# Altium PCB roach2.PcbDoc (part 37 of 39)
Units mil, origin at the board's own origin, x right, y up, seen from the top; angles counter-clockwise.
Board outline 12007.87 x 9606.3 mil, 16 copper layers (L1_TOP, L2_G, L3_S, L4_G, L5_S, L6_P, L7_G, L8_R, L9_R, L10_P, L11_P, L12_S, L13_P, L14_S, L15_G, L16_BOT), stack 81.651 mil thick; 1568 components, 1918 nets, 9251 pads, 6741 vias.
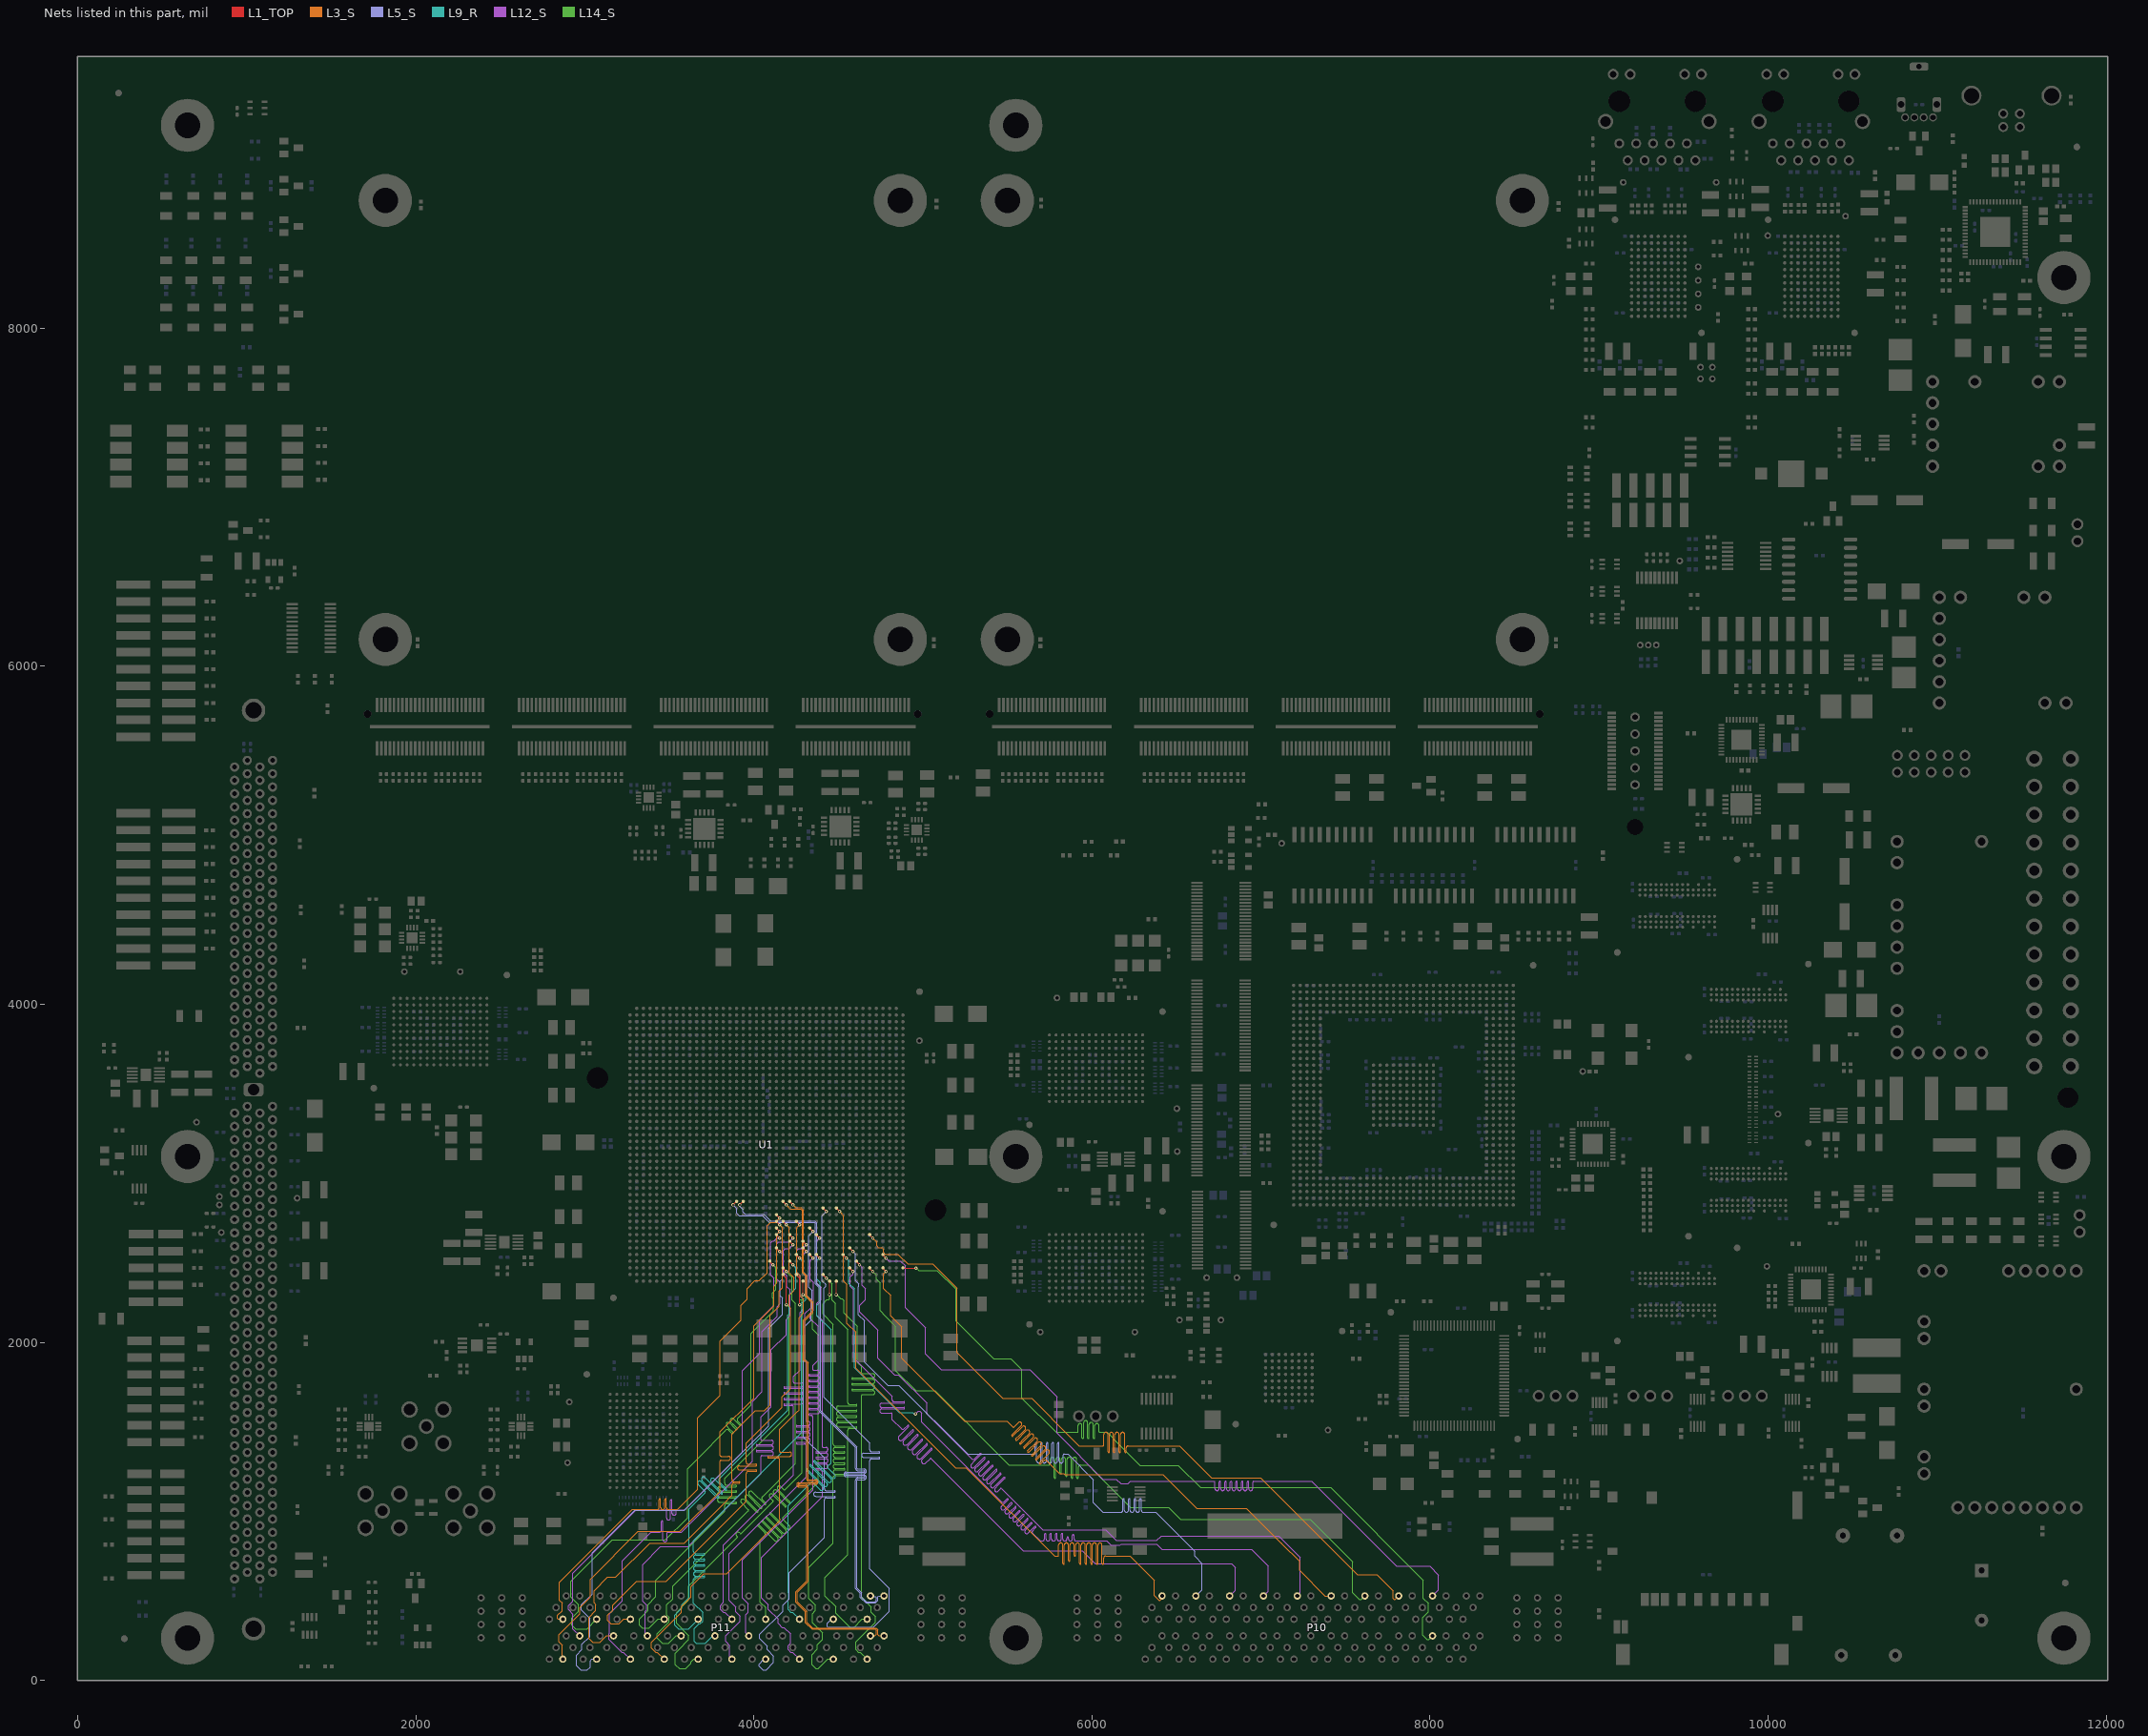
[diagram p51: the nets of this part, all layers, seen from the top]

## Via types
v1: diameter 19.4, hole 10, L1_TOP to L16_BOT, tented both sides, 3354 vias
v2: diameter 19.4, hole 10, L1_TOP to L16_BOT, 1954 vias
v3: diameter 19.4, hole 10, L1_TOP to L16_BOT, tented top, 429 vias
v4: diameter 18.6, hole 10, L1_TOP to L16_BOT, tented both sides, 311 vias
v5: diameter 59.06, hole 39.37, L1_TOP to L16_BOT, 217 vias
v6: diameter 19.4, hole 10.04, L1_TOP to L16_BOT, 125 vias
v7: diameter 19, hole 10, L1_TOP to L16_BOT, 93 vias
v8: diameter 19.4, hole 10, L1_TOP to L16_BOT, tented bottom, 80 vias
v9: diameter 25.98, hole 12.99, L1_TOP to L16_BOT, tented top, 55 vias
v10: diameter 20, hole 10, L1_TOP to L16_BOT, 53 vias
v11: diameter 59.06, hole 39.37, L1_TOP to L16_BOT, tented top, 44 vias
v12: diameter 20, hole 10, L1_TOP to L16_BOT, tented top, 16 vias
v13: diameter 19, hole 10, L1_TOP to L16_BOT, tented top, 5 vias
v14: diameter 25.98, hole 12.99, L1_TOP to L16_BOT, 4 vias
v15: diameter 50, hole 28, L1_TOP to L16_BOT, 1 vias

## Nets (pads, with @x,y where several pads share a name; then routed paths per layer and width w, separated by ;. In a path a pad name is that pad's centre, name@x,y a point inside that pad or via, vN(x,y) a via of type N, cw(c..) or ccw(c..) an arc to the next point about the centre after c; other vN are vias at no path point) (continued)
ZDOK0.DP_P28: P10.C17 U1.A40 | length 5100.7
  L1_TOP w5: U1.A40@4880.99,2439.41 4881.89,2439.41 v2(4959.73,2439.41)
  L14_S w3.8: v2@4960.63,2440.94 4960.95,2440.63 4975.42,2426.16 5083.76,2426.16 5195.79,2314.13 5195.79,2126.99 5419.79,1902.99 5521.22,1902.99 5585.79,1838.42 5585.79,1670.19 5787.99,1467.99 5912.99,1467.99 ccw(c5912.99,1472.39) 5917.39,1472.39 5917.39,1507.17 cw(c5929.59,1507.17) 5941.79,1507.17 5941.79,1435.69 ccw(c5946.19,1435.69) 5950.59,1435.69 5950.59,1524.5 cw(c5962.79,1524.5) 5974.99,1524.5 5974.99,1435.69 ccw(c5979.39,1435.69) 5983.79,1435.69 5983.79,1514.07 cw(c5995.99,1514.07) 6008.19,1514.07 6008.19,1435.69 ccw(c6012.59,1435.69) 6016.99,1435.69 6016.99,1507.12 cw(c6029.19,1507.12) 6041.39,1507.12 6041.39,1472.39 ccw(c6045.79,1472.39) 6045.79,1467.99 6089.02,1467.99 6094.26,1462.75 6155.51,1401.51 6284.02,1272.99 6511.22,1272.99 6643.42,1140.79 7411.22,1140.79 7960.79,591.22 7960.79,486.22 7990.31,456.7 7990.31,405.31 7957.99,372.99 7957.99,267.99 7982.99,242.99 7994.21,242.99 P10.C17@8015,263.78
ZDOK0.DP_P29: P10.F1 U1.L31 | length 5207.7
  L1_TOP w5: U1.L31@4487.29,2793.74 v1(4506.98,2774.05)
  L3_S w3.8: v1(4506.98,2774.05) 4530.75,2750.28 4530.75,2362.74 4550.43,2343.05 4550.43,2112.55 4551.33,2111.65 4602.79,2060.19 4602.79,1847.99 5192.79,1257.99 5256.22,1257.99 5778.42,735.79 5798.99,735.79 ccw(c5798.99,740.19) 5803.39,740.19 5803.39,801.43 cw(c5815.59,801.43) 5827.79,801.43 5827.79,692.36 ccw(c5832.19,692.36) 5836.59,692.36 5836.59,801.43 cw(c5848.79,801.43) 5860.99,801.43 5860.99,709.83 ccw(c5865.39,709.83) 5869.79,709.83 5869.79,801.43 cw(c5881.99,801.43) 5894.19,801.43 5894.19,740.19 ccw(c5898.59,740.19) 5902.99,740.19 5902.99,801.43 cw(c5915.19,801.43) 5927.39,801.43 5927.39,692.36 ccw(c5931.79,692.36) 5936.19,692.36 5936.19,801.43 cw(c5948.39,801.43) 5960.59,801.43 5960.59,692.36 ccw(c5964.99,692.36) 5969.39,692.36 5969.39,801.43 cw(c5981.59,801.43) 5993.79,801.43 5993.79,692.36 ccw(c5998.19,692.36) 6002.59,692.36 6002.59,801.43 cw(c6014.79,801.43) 6026.99,801.43 6026.99,692.36 ccw(c6031.39,692.36) 6035.79,692.36 6035.79,801.43 cw(c6047.99,801.43) 6060.19,801.43 6060.19,692.36 ccw(c6064.59,692.36) 6068.99,692.36 6068.99,723.59 cw(c6081.19,723.59) 6081.19,735.79 6226.22,735.79 6370.42,591.59 6370.42,500.42 6397.85,472.99 6402.99,472.99 6415,485 P10.F1@6415,500
ZDOK0.DP_P30: P10.F3 U1.J37 | length 5208.7
  L1_TOP w5: U1.J37@4566.03,2557.52 v1(4585.72,2537.83)
  L5_S w3.8: v1(4585.72,2537.83) 4601.32,2522.23 4601.32,2365.13 4621,2345.45 4621,2332.52 4618.99,2330.51 4618.99,2161.76 4653.19,2127.56 4653.19,1883.76 4791.76,1745.19 4857.99,1745.19 5265.19,1337.99 5652.39,1337.99 ccw(c5652.39,1350.19) 5664.59,1350.19 5664.59,1402.06 cw(c5668.99,1402.06) 5673.39,1402.06 5673.39,1298.92 ccw(c5685.59,1298.92) 5697.79,1298.92 5697.79,1402.06 cw(c5702.19,1402.06) 5706.59,1402.06 5706.59,1298.92 ccw(c5718.79,1298.92) 5730.99,1298.92 5730.99,1402.06 cw(c5735.39,1402.06) 5739.79,1402.06 5739.79,1298.92 ccw(c5751.99,1298.92) 5764.19,1298.92 5764.19,1402.06 cw(c5768.59,1402.06) 5772.99,1402.06 5772.99,1298.92 ccw(c5785.19,1298.92) 5797.39,1298.92 5797.39,1402.06 cw(c5801.79,1402.06) 5806.19,1402.06 5806.19,1298.92 ccw(c5818.39,1298.92) 5830.59,1298.92 5830.59,1333.59 cw(c5834.99,1333.59) 5834.99,1337.99 5857.99,1337.99 6007.99,1187.99 6007.99,1052.99 6065.79,995.19 6170.99,995.19 ccw(c6170.99,1007.39) 6183.19,1007.39 6183.19,1070.79 cw(c6187.59,1070.79) 6191.99,1070.79 6191.99,1007.39 ccw(c6204.19,1007.39) 6216.39,1007.39 6216.39,1070.79 cw(c6220.79,1070.79) 6225.19,1070.79 6225.19,1007.39 ccw(c6237.39,1007.39) 6249.59,1007.39 6249.59,1070.79 cw(c6253.99,1070.79) 6258.39,1070.79 6258.39,1007.39 ccw(c6270.59,1007.39) 6282.79,1007.39 6282.79,1070.79 cw(c6287.19,1070.79) 6291.59,1070.79 6291.59,1007.39 ccw(c6303.79,1007.39) 6303.79,995.19 6377.99,995.19 6607.99,765.19 6607.99,734.76 6651.06,691.69 6651.06,536.06 P10.F3@6615,500
ZDOK0.DP_P31: P10.F5 U1.J40 | length 5248.8
  L1_TOP w5: U1.J40@4566.03,2439.41 v1(4585.72,2419.72)
  L12_S w3.8: v1(4585.72,2419.72) 4585.72,2402.72 4570.12,2387.12 4570.12,2331.84 4589.19,2312.76 4589.19,1909.76 4817.48,1681.48 4817.48,1660.99 ccw(c4829.68,1660.99) 4829.68,1648.79 4888.13,1648.79 cw(c4888.13,1644.39) 4892.53,1644.39 cw(c4888.13,1644.39) 4888.13,1639.99 4756.72,1639.99 ccw(c4756.72,1627.79) 4756.72,1615.59 4888.13,1615.59 cw(c4888.13,1611.19) 4892.53,1611.19 cw(c4888.13,1611.19) 4888.13,1606.79 4756.72,1606.79 ccw(c4756.72,1594.59) 4756.72,1582.39 4813.08,1582.39 cw(c4813.08,1577.99) 4817.48,1577.99 4817.48,1543.51 4870.49,1490.49 ccw(c4881.1,1501.1) 4891.71,1490.49 4909.98,1508.76 cw(c4913.09,1505.64) 4917.49,1505.64 cw(c4913.09,1505.64) 4916.2,1502.53 4858.45,1444.78 ccw(c4869.06,1434.17) 4879.67,1423.56 4937.42,1481.31 cw(c4940.53,1478.2) 4944.93,1478.2 cw(c4940.53,1478.2) 4943.65,1475.09 4885.9,1417.34 ccw(c4896.51,1406.73) 4907.12,1396.12 4964.87,1453.87 cw(c4967.98,1450.75) 4972.38,1450.75 cw(c4967.98,1450.75) 4971.09,1447.64 4913.34,1389.89 ccw(c4923.95,1379.28) 4934.56,1368.67 4992.31,1426.42 cw(c4995.42,1423.31) 4999.82,1423.31 cw(c4995.42,1423.31) 4998.54,1420.2 4940.79,1362.45 ccw(c4951.4,1351.84) 4962.01,1341.23 5019.76,1398.97 cw(c5022.87,1395.86) 5027.27,1395.86 cw(c5022.87,1395.86) 5025.98,1392.75 4968.23,1335 ccw(c4978.84,1324.39) 4989.45,1313.78 5047.2,1371.53 cw(c5050.31,1368.42) 5054.71,1368.42 cw(c5050.31,1368.42) 5053.43,1365.31 4995.68,1307.56 ccw(c5006.29,1296.95) 5016.9,1286.34 5042.66,1312.1 cw(c5045.77,1308.99) 5048.89,1312.1 5592.99,767.99 5942.99,767.99 6020.79,690.19 6825.79,690.19 6847.99,667.99 6847.99,532.99 P10.F5@6815,500
ZDOK0.DP_P32: P10.F7 U1.K38 | length 5227.1
  L1_TOP w5: U1.K38@4526.66,2518.15 v1(4546.35,2498.46)
  L9_R w3.8: v1(4546.35,2498.46) 4562.32,2482.49 4562.32,2348.98 4594.48,2316.82 4594.48,1849.76 4859.05,1585.19 4940.19,1585.19 4947.99,1577.39 v3(4956.68,1577.39)
  L12_S w3.8: v3(4956.68,1577.39) 4972.28,1592.99 4982.99,1592.99 4992.99,1582.99 4992.99,1526.96 5462.98,1056.98 ccw(c5471.6,1065.6) 5480.23,1056.98 5497.46,1074.21 cw(c5500.57,1071.1) 5503.69,1074.21 cw(c5500.57,1071.1) 5504.97,1071.1 cw(c5500.57,1071.1) 5503.69,1067.99 5480.59,1044.89 5464.99,1029.29 ccw(c5473.61,1020.66) 5464.98,1012.03 ccw(c5473.61,1020.66) 5482.23,1012.03 5497.83,1027.63 5520.94,1050.74 cw(c5524.05,1047.62) 5527.16,1050.74 cw(c5524.05,1047.62) 5528.45,1047.62 cw(c5524.05,1047.62) 5527.16,1044.51 5504.06,1021.42 5488.46,1005.81 ccw(c5497.08,997.18) 5488.46,988.56 ccw(c5497.08,997.18) 5505.71,988.56 5521.31,1004.15 5544.41,1027.26 cw(c5547.52,1024.15) 5550.64,1027.26 cw(c5547.52,1024.15) 5551.92,1024.15 cw(c5547.52,1024.15) 5550.64,1021.04 5527.54,997.94 5511.94,982.34 ccw(c5520.56,973.71) 5511.93,965.08 ccw(c5520.56,973.71) 5529.18,965.08 5567.88,1003.78 cw(c5571,1000.67) 5574.11,1003.78 cw(c5571,1000.67) 5575.4,1000.67 cw(c5571,1000.67) 5574.11,997.56 5551.01,974.47 5535.41,958.86 ccw(c5544.03,950.23) 5535.41,941.61 ccw(c5544.03,950.23) 5552.66,941.61 5591.36,980.31 cw(c5594.47,977.2) 5597.59,980.31 cw(c5594.47,977.2) 5598.87,977.2 cw(c5594.47,977.2) 5597.59,974.09 5574.49,950.99 5558.89,935.39 ccw(c5567.51,926.76) 5558.88,918.13 ccw(c5567.51,926.76) 5576.13,918.13 5614.84,956.83 cw(c5617.95,953.72) 5621.06,956.83 cw(c5617.95,953.72) 5622.35,953.72 cw(c5617.95,953.72) 5621.06,950.61 5597.96,927.52 5582.36,911.91 ccw(c5590.98,903.28) 5582.36,894.66 ccw(c5590.98,903.28) 5599.61,894.66 5638.31,933.36 cw(c5641.42,930.25) 5644.54,933.36 cw(c5641.42,930.25) 5645.82,930.25 cw(c5641.42,930.25) 5644.54,927.14 5621.44,904.04 5605.84,888.44 ccw(c5614.46,879.81) 5605.83,871.18 ccw(c5614.46,879.81) 5623.08,871.18 5661.79,909.88 cw(c5664.9,906.77) 5668.01,909.88 cw(c5664.9,906.77) 5669.3,906.77 cw(c5664.9,906.77) 5668.01,903.66 5647.98,883.63 ccw(c5653.8,877.8) 5647.98,871.98 5694.76,825.19 5706.99,825.19 ccw(c5706.99,837.39) 5719.19,837.39 5719.19,864.64 cw(c5723.59,864.64) 5727.99,864.64 5727.99,837.39 ccw(c5740.19,837.39) 5752.39,837.39 5752.39,864.64 cw(c5756.79,864.64) 5761.19,864.64 5761.19,837.39 ccw(c5773.39,837.39) 5785.59,837.39 5785.59,864.64 cw(c5789.99,864.64) 5794.39,864.64 5794.39,837.39 ccw(c5806.59,837.39) 5818.79,837.39 5818.79,864.64 cw(c5823.19,864.64) 5827.59,864.64 5827.59,837.39 ccw(c5839.79,837.39) 5851.99,837.39 5851.99,843.99 cw(c5856.39,843.99) 5860.79,843.99 5860.79,837.39 ccw(c5872.99,837.39) 5885.19,837.39 5885.19,858.38 cw(c5889.59,858.38) 5893.99,858.38 5893.99,837.39 ccw(c5906.19,837.39) 5906.19,825.19 6085.79,825.19 6111.55,799.44 6166.11,799.44 6173.91,807.24 6383.26,807.24 6415.3,775.19 6945.79,775.19 7042.99,677.99 7042.99,527.99 P10.F7@7015,500
ZDOK0.DP_P33: P10.F9 U1.H39 | length 5201
  L1_TOP w5: U1.H39@4605.4,2478.78 v1(4625.09,2459.09)
  L12_S w3.8: v1(4625.09,2459.09) 4641.06,2443.12 4641.06,2337.9 4660.74,2318.21 4660.74,2252.74 4625.99,2217.99 4625.99,2181 4733.42,2073.56 4733.42,1905.76 4831.99,1807.19 4855.99,1807.19 5022.99,1640.19 5022.99,1576.96 5143.97,1455.98 5289.28,1310.68 ccw(c5297.9,1319.3) 5306.53,1310.68 5337.61,1341.75 cw(c5340.72,1338.64) 5343.83,1341.75 cw(c5340.72,1338.64) 5345.12,1338.64 cw(c5340.72,1338.64) 5343.83,1335.53 5306.89,1298.59 5286.34,1278.05 ccw(c5294.96,1269.42) 5286.34,1260.79 ccw(c5294.96,1269.42) 5303.59,1260.79 5361.08,1318.28 cw(c5364.19,1315.17) 5367.3,1318.28 cw(c5364.19,1315.17) 5368.59,1315.17 cw(c5364.19,1315.17) 5367.3,1312.06 5330.36,1275.12 5309.82,1254.57 ; 5309.81,1254.57 ccw(c5318.44,1245.94) 5309.81,1237.31 ccw(c5318.44,1245.94) 5327.07,1237.31 5384.56,1294.8 cw(c5387.67,1291.69) 5390.78,1294.8 cw(c5387.67,1291.69) 5392.07,1291.69 cw(c5387.67,1291.69) 5390.78,1288.58 5353.84,1251.64 5333.29,1231.1 ccw(c5341.92,1222.46) 5333.29,1213.84 ccw(c5341.92,1222.46) 5350.54,1213.84 5408.03,1271.33 cw(c5411.14,1268.22) 5414.25,1271.33 cw(c5411.14,1268.22) 5415.54,1268.22 cw(c5411.14,1268.22) 5414.25,1265.11 5377.31,1228.17 5356.76,1207.62 ccw(c5365.39,1198.99) 5356.76,1190.36 ccw(c5365.39,1198.99) 5374.02,1190.36 ; 5374.02,1190.37 5431.51,1247.85 cw(c5434.62,1244.74) 5437.73,1247.85 cw(c5434.62,1244.74) 5439.02,1244.74 cw(c5434.62,1244.74) 5437.73,1241.63 5400.79,1204.69 5380.24,1184.14 ccw(c5388.87,1175.51) 5380.24,1166.89 ccw(c5388.87,1175.51) 5397.49,1166.89 5454.98,1224.38 cw(c5458.09,1221.27) 5461.2,1224.38 cw(c5458.09,1221.27) 5462.49,1221.27 cw(c5458.09,1221.27) 5461.2,1218.16 5424.26,1181.22 5403.71,1160.67 ccw(c5412.34,1152.04) 5403.71,1143.41 ccw(c5412.34,1152.04) 5420.97,1143.41 5478.46,1200.9 cw(c5481.57,1197.79) 5484.68,1200.9 cw(c5481.57,1197.79) 5485.97,1197.79 cw(c5481.57,1197.79) 5484.68,1194.68 5447.74,1157.74 5427.19,1137.19 ccw(c5435.82,1128.56) 5427.19,1119.94 ccw(c5435.82,1128.56) 5444.44,1119.94 5459.12,1134.61 cw(c5462.23,1131.5) 5465.34,1134.61 5709.76,890.19 6080.79,890.19 6143.22,827.76 6383.31,827.76 6410.73,855.19 7105.79,855.19 7232.99,727.99 7232.99,517.99 P10.F9@7215,500
ZDOK0.DP_P34: P10.F11 U1.D40 | length 5151.5
  L1_TOP w5: U1.D40@4762.88,2439.41 v1(4782.57,2419.72)
  L3_S w3.8: v1@4783.47,2421.26 4782.25,2420.04 4767.68,2405.47 4767.68,2318.99 4808.99,2277.68 4808.99,2157.99 4874.99,2091.99 4874.99,1904.99 5246.99,1532.99 5499.02,1532.99 5504.26,1527.75 5532.82,1499.19 ccw(c5535.94,1502.3) 5539.05,1499.19 5564.68,1524.82 cw(c5573.31,1516.2) 5581.94,1524.83 cw(c5573.31,1516.2) 5585.51,1516.2 cw(c5573.31,1516.2) 5581.94,1507.58 5550.44,1476.07 ; 5550.43,1476.06 5526.43,1452.07 ccw(c5529.54,1448.95) 5526.42,1445.84 ccw(c5529.54,1448.95) 5532.65,1445.84 5588.16,1501.35 cw(c5596.79,1492.73) 5605.41,1501.35 cw(c5596.79,1492.73) 5608.99,1492.73 cw(c5596.79,1492.73) 5605.41,1484.1 5573.91,1452.6 5549.9,1428.59 ccw(c5553.01,1425.47) 5549.9,1422.36 ccw(c5553.01,1425.47) 5556.12,1422.36 5611.63,1477.87 cw(c5620.26,1469.25) 5628.89,1477.88 cw(c5620.26,1469.25) 5632.46,1469.25 cw(c5620.26,1469.25) 5628.89,1460.63 5597.39,1429.12 ; 5597.38,1429.11 5573.38,1405.12 ccw(c5576.49,1402) 5573.37,1398.89 ccw(c5576.49,1402) 5579.6,1398.89 5635.11,1454.4 cw(c5643.74,1445.78) 5652.36,1454.4 cw(c5643.74,1445.78) 5655.94,1445.78 cw(c5643.74,1445.78) 5652.36,1437.15 5620.86,1405.65 5596.85,1381.64 ccw(c5599.96,1378.52) 5596.85,1375.41 ccw(c5599.96,1378.52) 5603.07,1375.41 5658.58,1430.92 cw(c5667.21,1422.3) 5675.84,1430.93 cw(c5667.21,1422.3) 5679.41,1422.3 cw(c5667.21,1422.3) 5675.84,1413.67 5620.33,1358.17 ccw(c5623.44,1355.05) 5620.32,1351.94 ccw(c5623.44,1355.05) 5626.55,1351.94 5682.06,1407.45 cw(c5690.69,1398.83) 5699.31,1407.45 cw(c5690.69,1398.83) 5702.89,1398.83 cw(c5690.69,1398.83) 5699.31,1390.2 5643.8,1334.69 ccw(c5646.91,1331.57) 5643.8,1328.46 ccw(c5646.91,1331.57) 5650.02,1328.46 5705.54,1383.98 cw(c5714.16,1375.35) 5722.79,1383.98 cw(c5714.16,1375.35) 5726.36,1375.35 cw(c5714.16,1375.35) 5722.79,1366.72 5667.27,1311.21 ccw(c5670.39,1308.1) 5667.27,1304.99 ccw(c5670.39,1308.1) 5673.5,1304.99 5729.01,1360.5 cw(c5737.64,1351.88) 5746.26,1360.5 cw(c5737.64,1351.88) 5749.84,1351.88 cw(c5737.64,1351.88) 5746.26,1343.25 5690.75,1287.74 ccw(c5693.86,1284.62) 5690.75,1281.51 ccw(c5693.86,1284.62) 5696.97,1281.51 5715.11,1299.65 cw(c5723.74,1291.03) 5732.36,1299.65 5807.62,1224.39 5832.68,1224.39 5839.08,1217.99 6419.02,1217.99 6619.02,1017.99 6914.02,1017.99 7121.85,810.16 ; 7121.01,811.01 7121.85,810.16 ; 7123.51,808.51 7121.85,810.16 ; P10.F11@7415,500 7380,500 7227.99,652.01 7227.99,704.02 7121.85,810.16
ZDOK0.DP_P35: P10.F13 U1.F40 | length 5203.4
  L1_TOP w5: U1.F40@4684.14,2439.41 v1(4703.83,2419.72)
  L14_S w3.8: v1(4703.83,2419.72) 4724.49,2399.06 4724.49,2373.15 4746.91,2350.73 4746.91,2186.87 4776.79,2156.99 4837.99,2095.79 4837.99,1833.99 4958.99,1712.99 5071.22,1712.99 5508.42,1275.79 5748.99,1275.79 ccw(c5748.99,1280.19) 5753.39,1280.19 5753.39,1307.46 cw(c5765.59,1307.46) 5777.79,1307.46 5777.79,1200.73 ccw(c5782.19,1200.73) 5786.59,1200.73 5786.59,1307.46 cw(c5798.79,1307.46) 5810.99,1307.46 5810.99,1228.27 ccw(c5815.39,1228.27) 5819.79,1228.27 5819.79,1307.46 cw(c5831.99,1307.46) 5844.19,1307.46 5844.19,1212.36 ccw(c5848.59,1212.36) 5852.99,1212.36 5852.99,1307.46 cw(c5865.19,1307.46) 5877.39,1307.46 5877.39,1200.73 ccw(c5881.79,1200.73) 5886.19,1200.73 5886.19,1307.46 cw(c5898.39,1307.46) 5910.59,1307.46 5910.59,1200.73 ccw(c5914.99,1200.73) 5919.39,1200.73 5919.39,1263.59 cw(c5931.59,1263.59) 5931.59,1275.79 5976.22,1275.79 5981.46,1270.55 6019.01,1233.01 6229.02,1022.99 6454.02,1022.99 6523.51,953.51 7292.48,953.51 7542.99,702.99 7542.99,517.99 7582.99,477.99 7592.99,477.99 P10.F13@7615,500 ; v1@4704.73,2419.72 v1@4704.73,2421.26
ZDOK0.DP_P36: P10.F15 U1.F35 | length 5196.8
  L1_TOP w5: U1.F35@4684.14,2636.26 v1(4703.83,2616.57)
  L3_S w3.8: v1(4703.83,2616.57) 4727.6,2592.8 4727.6,2570.74 4736.74,2561.6 4757.88,2561.6 4766.97,2552.52 4766.97,2531.37 4776.11,2522.23 4851.75,2522.23 4910.81,2463.18 5058.84,2463.18 5200.79,2321.22 5200.79,1939.99 5472.79,1667.99 5644.02,1667.99 5877,1435.01 5921.06,1390.95 ; 5921.07,1390.95 5924.02,1387.99 6065.59,1387.99 ccw(c6065.59,1392.39) 6069.99,1392.39 6069.99,1455.55 cw(c6082.19,1455.55) 6094.39,1455.55 6094.39,1353.23 ccw(c6098.79,1353.23) 6103.19,1353.23 6103.19,1455.55 cw(c6115.39,1455.55) 6127.59,1455.55 6127.59,1353.23 ccw(c6131.99,1353.23) 6136.39,1353.23 6136.39,1455.55 cw(c6148.59,1455.55) 6160.79,1455.55 6160.79,1353.23 ccw(c6165.19,1353.23) 6169.59,1353.23 6169.59,1455.55 cw(c6181.79,1455.55) 6193.99,1455.55 6193.99,1353.23 ccw(c6198.39,1353.23) 6202.79,1353.23 6202.79,1375.79 cw(c6214.99,1375.79) 6214.99,1387.99 6518.22,1387.99 6708.22,1197.99 6999.02,1197.99 7258.51,938.51 7571.22,625.79 7686.22,625.79 7781.39,530.62 7781.39,484.59 7787.99,477.99 7792.99,477.99 P10.F15@7815,500
ZDOK0.DP_P37: P10.F17 U1.D38 | length 5244.8
  L1_TOP w5: U1.D38@4762.88,2518.15 v1(4782.57,2498.46)
  L12_S w3.8: v1(4782.57,2498.46) 4798.54,2482.49 4867.46,2482.49 4895.99,2453.96 4895.99,2203.76 5014.19,2085.56 5014.19,1932.66 5107.66,1839.19 5631.79,1839.19 5792.99,1677.99 5792.99,1462.99 6065.28,1190.71 6144.25,1190.71 6171.36,1163.59 6214.62,1163.59 6228.51,1177.48 6723.59,1177.48 cw(c6723.59,1173.08) 6727.99,1173.08 6727.99,1135.36 ccw(c6740.19,1135.36) 6752.39,1135.36 6752.39,1173.08 cw(c6756.79,1173.08) 6761.19,1173.08 6761.19,1135.36 ccw(c6773.39,1135.36) 6785.59,1135.36 6785.59,1173.08 cw(c6789.99,1173.08) 6794.39,1173.08 6794.39,1135.36 ccw(c6806.59,1135.36) 6818.79,1135.36 6818.79,1173.08 cw(c6823.19,1173.08) 6827.59,1173.08 6827.59,1135.36 ccw(c6839.79,1135.36) 6851.99,1135.36 6851.99,1173.08 cw(c6856.39,1173.08) 6860.79,1173.08 6860.79,1135.36 ccw(c6872.99,1135.36) 6885.19,1135.36 6885.19,1173.08 cw(c6889.59,1173.08) 6893.99,1173.08 6893.99,1135.36 ccw(c6906.19,1135.36) 6918.39,1135.36 6918.39,1173.08 cw(c6922.79,1173.08) 6927.19,1173.08 6927.19,1135.36 ccw(c6939.39,1135.36) 6951.59,1135.36 6951.59,1173.08 cw(c6955.99,1173.08) 6955.99,1177.48 7298.51,1177.48 7800.79,675.19 7997.99,675.19 8051.06,622.12 8051.06,536.06 P10.F17@8015,500
ZDOK1.CLK0_N: P11.C20 U1.V30 | length 3365.8
  L1_TOP w5: U1.V30@4211.7,2833.11 v1(4231.39,2813.42)
  L3_S w3.8: v1(4231.39,2813.42) 4247.36,2797.45 4280.45,2797.45 4294.53,2783.38 4294.53,2413.26 4314.21,2393.58 4314.21,2275.47 4349.99,2239.68 4349.99,2175.99 4302.56,2128.56 4302.56,1898.32 4320.49,1880.39 4320.49,1190.99 ccw(c4324.89,1190.99) 4324.89,1186.59 4367.49,1186.59 cw(c4367.49,1174.39) 4379.69,1174.39 cw(c4367.49,1174.39) 4367.49,1162.19 4265.7,1162.19 ccw(c4265.7,1157.79) 4265.7,1153.39 4308.29,1153.39 cw(c4308.29,1141.19) 4320.49,1141.19 4320.49,586.46 4255.99,521.96 4255.99,466.1 4313.99,408.1 4313.99,343.99 4346.99,310.99 4723.02,310.99 4733.79,300.22 4733.79,270.19 4738.99,264.99 4768.71,264.99 P11.C20@4769.92,263.78
ZDOK1.CLK0_P: P11.C19 U1.W30 | length 3394.2
  L1_TOP w5: U1.W30@4172.33,2833.11 v1(4192.02,2813.42)
  L3_S w3.8: v1(4192.02,2813.42) 4215.79,2789.65 4277.22,2789.65 4286.73,2780.15 4286.73,2410.03 4306.41,2390.35 4306.41,2272.24 4342.19,2236.45 4342.19,2179.22 4294.76,2131.8 4294.76,1895.09 4312.69,1877.16 4312.69,1190.99 ccw(c4324.89,1190.99) 4324.89,1178.79 4367.49,1178.79 cw(c4367.49,1174.39) 4371.89,1174.39 cw(c4367.49,1174.39) 4367.49,1169.99 4265.7,1169.99 ccw(c4265.7,1157.79) 4265.7,1145.59 4308.29,1145.59 cw(c4308.29,1141.19) 4312.69,1141.19 4312.69,589.69 4248.19,525.19 4248.19,462.87 4306.19,404.87 4306.19,340.76 4343.76,303.19 4719.79,303.19 4725.99,296.99 4725.99,271.99 4717.78,263.78 P11.C19@4690,263.78
ZDOK1.CLK1_N: P11.F20 U1.AF30 | length 3410.9
  L1_TOP w5: v1(3877.05,2813.42) U1.AF30@3896.74,2833.11
  L5_S w3.8: v1(3877.05,2813.42) 3899.49,2790.99 3899.49,2763.49 3912.7,2750.28 4050.13,2750.28 4089.5,2710.91 4358.39,2710.91 4365.1,2704.21 4365.1,2344.66 4387.19,2322.56 4387.19,1592.76 4600.99,1378.96 4600.99,1254.99 ccw(c4614.39,1254.99) 4614.39,1241.59 4651.82,1241.59 cw(c4651.82,1237.19) 4656.22,1237.19 cw(c4651.82,1237.19) 4651.82,1232.79 4546.37,1232.79 ccw(c4546.37,1219.39) 4546.37,1205.99 4651.82,1205.99 cw(c4651.82,1201.59) 4656.22,1201.59 cw(c4651.82,1201.59) 4651.82,1197.19 4614.39,1197.19 ccw(c4614.39,1183.79) 4600.99,1183.79 4600.99,544.96 4629.19,516.76 4629.19,490.76 4661.76,458.19 4718.08,458.19 4718.55,458.66 4719.69,458.66 4733.79,472.76 4733.79,494.79 4739,500 P11.F20@4769.92,500